# Altium PCB Hrafn.PcbDoc (part 5 of 5)
Units mm, origin at the board's own origin, x right, y up, seen from the top; angles counter-clockwise.
Board outline 85 x 94.73 mm, 8 copper layers (Top Layer, GND Top, Internal Top, PWR Top, PWR Bottom, Internal Bottom, GND Bottom, Bottom Layer), stack 1.525 mm thick; 391 components, 237 nets, 1268 pads, 1166 vias.
Unrouted connection lines stored in the file: 2.
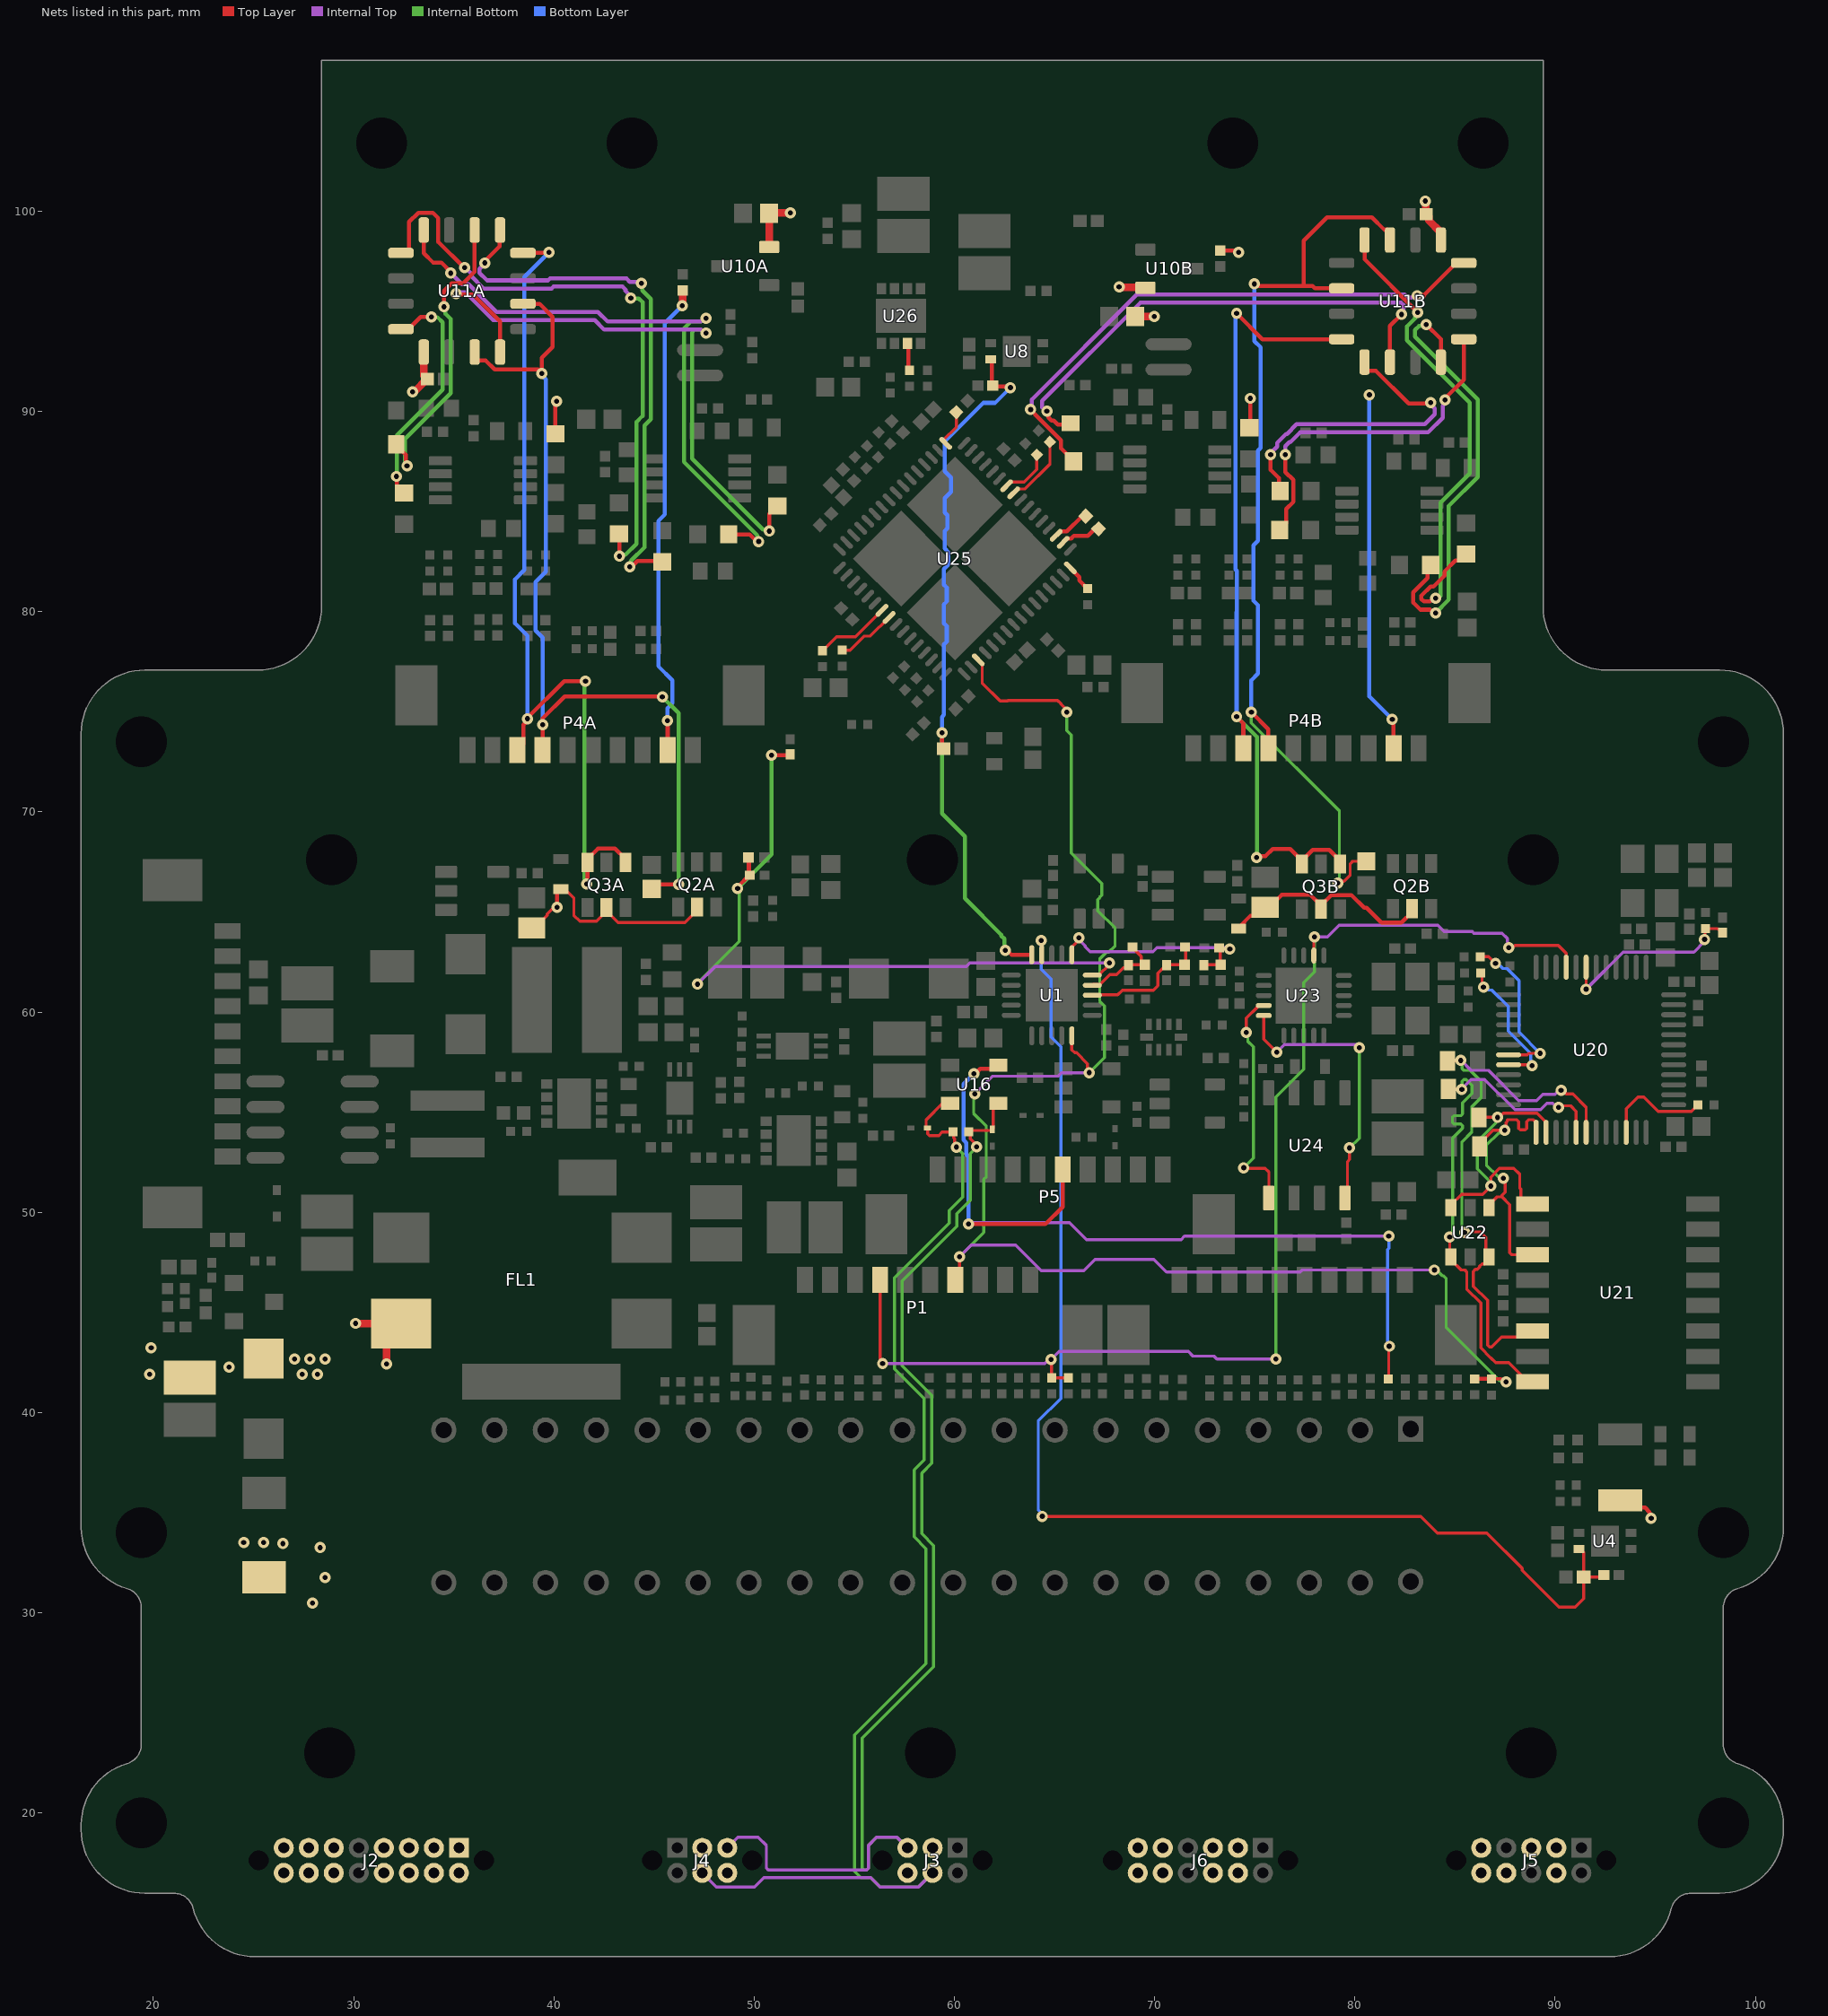
[diagram p11: the nets of this part, all layers, seen from the top]

## Via types
v1: diameter 0.559, hole 0.254, Top Layer to Bottom Layer, 1120 vias
v2: diameter 0.6, hole 0.25, Top Layer to Bottom Layer, 36 vias
v3: diameter 0.5, hole 0.2, Top Layer to Bottom Layer, 8 vias
v4: diameter 0.61, hole 0.254, Top Layer to Bottom Layer, 2 vias

## Nets (pads, with @x,y where several pads share a name; then routed paths per layer and width w, separated by ;. In a path a pad name is that pad's centre, name@x,y a point inside that pad or via, vN(x,y) a via of type N, cw(c..) or ccw(c..) an arc to the next point about the centre after c; other vN are vias at no path point) (continued)
NetR124_1: R124.1 U25.35 | length 1.9
  Top Layer w0.203: U25.35@65.081,83.812 65.273,84.003 65.48,84.003 65.483,84.006 65.615,84.006 66.382,84.773 R124.1@66.56,84.773
NetR124_2: R124.2 U25.34 | length 2
  Top Layer w0.203: U25.34@65.435,83.458 65.626,83.65 65.833,83.65 65.961,83.778 66.659,83.778 67.019,84.137 R124.2@67.196,84.137
NetR125_2: R125.2 U25.32 | length 1.4
  Top Layer w0.203: U25.32@65.788,82.185 65.788,82.173 66.239,81.722 66.239,81.557 R125.2@66.65,81.147
NetR128_2: R128.2 U26.3 | length 1.3
  Top Layer w0.203: U26.3@57.653,93.397 57.707,93.343 57.707,92.156 R128.2@57.761,92.102
NetR132_2: R132.2 U25.7 | length 3.8
  Top Layer w0.152: R132.2@53.416,78.048 53.753,78.385 54.108,78.74 55.06,78.74 U25.7@56.384,80.064
NetR133_2: R133.2 U25.8 | length 3
  Top Layer w0.152: R133.2@54.407,78.073 54.797,78.073 55.503,78.779 55.806,78.779 U25.8@56.737,79.71
NetR134_2: R134.2 U25.42 | length 2.6
  Top Layer w0.152: U25.42@62.606,86.287 62.801,86.481 63.491,86.481 64.113,87.103 R134.2@64.113,87.83
NetR135_2: R135.2 U25.41 | length 3.5
  Top Layer w0.152: U25.41@62.96,85.933 63.154,86.127 63.532,86.127 64.77,87.365 R135.2@64.77,88.468
NetR139_2: R139.2 U20.44 | length 7
  Top Layer w0.152: R139.2@86.277,61.951 86.348,61.88 86.348,61.307 v1(86.419,61.236) ; U20.44@87.671,57.365 88.806,57.365 v1(88.847,57.325)
  Bottom Layer w0.152: v1(86.419,61.236) 86.529,61.236 86.667,61.098 86.833,61.098 87.655,60.276 87.655,59.055 88.773,57.937 88.773,57.399 v1(88.847,57.325)
NetR140_2: R140.2 U20.43 | length 8.1
  Top Layer w0.152: R140.2@86.252,62.763 86.67,62.763 87,62.433 v1(87.02,62.433) ; U20.43@87.671,57.865 88.596,57.865 88.669,57.937 v1(89.256,57.937)
  Bottom Layer w0.152: v1(87.02,62.433) 87.13,62.433 87.391,62.173 87.586,62.173 88.189,61.57 88.189,59.004 v1(89.256,57.937)
NetR141_2: R141.2 U20.10 | length 5.4
  Top Layer w0.152: U20.10@93.546,53.99 93.546,55.166 94.132,55.753 94.434,55.753 95.15,55.037 96.801,55.037 R141.2@97.136,55.372
NetR142_1: R142.1 R143.2 U20.31 | length 9.6
  Top Layer w0.152: v1(91.546,61.142) U20.31@91.546,62.24 ; v1(97.46,63.627) 97.485,63.652 97.485,64.141 R142.1@97.511,64.167 98.111,64.167 98.141,64.137 98.2,64.137 98.349,63.988 R143.2@98.349,63.963
  Internal Top w0.152: v1(91.546,61.142) 93.396,62.992 96.926,62.992 97.46,63.525 v1(97.46,63.627)
OUTAA_N: R90A.1 U11A.10 | length 15.2
  Top Layer w0.203: R90A.1@32.131,88.355 32.131,88.305 32.596,87.839 32.596,87.342 v1(32.664,87.274) ; v1(34.519,95.225) 34.519,96.019 34.901,96.402 35.474,96.402 36.043,96.97 U11A.10@36.043,99.06
  Internal Bottom w0.203: v1(32.664,87.274) 32.563,87.376 32.563,88.63 34.846,90.914 34.846,94.617 34.587,94.877 34.587,95.157 v1(34.519,95.225)
OUTAA_P: R93A.1 U11A.16 | length 11.8
  Top Layer w0.203: v1(32.144,86.754) 32.158,86.74 32.158,86.245 32.485,85.918 R93A.1@32.512,85.918 ; U11A.16@32.36,94.107 32.741,94.107 33.353,94.719 v1(33.884,94.719)
  Internal Bottom w0.203: v1(32.144,86.754) 32.156,86.766 32.156,88.798 34.44,91.082 34.44,94.449 34.184,94.704
OUTAB_N: R90B.1 U11B.10 | length 25.5
  Top Layer w0.203: v1(64.618,90.018) 64.686,89.95 64.686,89.697 64.845,89.538 64.967,89.538 65.164,89.341 65.733,89.341 R90B.1@65.8,89.408 ; U11B.10@81.751,92.463 81.751,94.274 v1(82.321,94.844)
  Internal Top w0.203: v1(64.618,90.018) 64.561,90.018 64.376,90.203 64.376,90.526 69.279,95.428 82.313,95.428 82.432,95.309 82.432,95.14 82.389,95.097 82.389,94.912 v1(82.321,94.844)
OUTAB_P: R93B.1 U11B.16 | length 28.5
  Top Layer w0.203: v1(63.805,90.094) 63.805,90.08 64.202,89.684 64.202,89.678 65.317,88.563 65.317,88.162 65.949,87.53 R93B.1@65.949,87.503 ; 83.421,95.783 U11B.16@85.053,97.416
  Top Layer w0.254: v1(83.109,95.783) 83.421,95.783 ; U11B.16@85.053,97.416 U11B.16@85.434,97.416
  Internal Top w0.203: v1(63.805,90.094) 63.873,90.162 63.873,90.597 69.11,95.834 82.482,95.834 82.644,95.672 82.812,95.672 82.855,95.715 83.041,95.715 v1(83.109,95.783)
OUTBA_N: R91A.1 U11A.4 | length 31.6
  Top Layer w0.203: v1(35.111,95.894) 35.159,95.846 35.954,95.846 37.313,94.488 U11A.4@37.313,92.964 ; v1(50.749,84.023) 50.749,84.872 50.801,84.924 50.801,84.951 51.129,85.278 R91A.1@51.156,85.278
  Internal Top w0.203: v1(35.111,95.894) 35.164,95.946 35.577,95.946 36.965,94.558 42.036,94.558 42.512,94.082 47.338,94.082 47.503,93.916 v1(47.6,93.916)
  Internal Bottom w0.203: v1(47.6,93.916) 47.503,93.916 47.338,94.082 47.015,94.082 46.896,93.963 46.896,87.643 50.448,84.091 50.681,84.091 v1(50.749,84.023)
OUTBA_P: R94A.1 U11A.12 | length 31.9
  Top Layer w0.203: U11A.12@33.503,99.06 33.503,97.9 33.964,97.439 34.379,97.439 34.851,96.967 v1(34.851,96.907) ; R94A.1@48.733,83.86 49.775,83.86 50.132,83.502 v1(50.228,83.502)
  Internal Top w0.203: v1(34.851,96.907) 35.405,96.353 35.745,96.353 37.134,94.964 42.204,94.964 42.681,94.488 47.338,94.488 47.503,94.653 v1(47.6,94.653)
  Internal Bottom w0.203: v1(47.6,94.653) 47.503,94.653 47.338,94.488 46.847,94.488 46.49,94.131 46.49,87.474 50.16,83.804 50.16,83.57 v1(50.228,83.502)
OUTBB_N: R91B.1 U11B.4 | length 25.5
  Top Layer w0.203: U11B.4@80.481,98.559 80.481,97.598 v1(83.134,94.945) ; v1(84.023,80.67) 83.927,80.67 83.762,80.505 83.439,80.505 83.32,80.624 83.32,80.793 83.781,81.255 83.926,81.255 84.469,81.798 84.469,82.001 85.012,82.544 85.224,82.544 R91B.1@85.552,82.872
  Internal Bottom w0.203: v1(83.134,94.945) 83.134,94.849 83.01,94.725 83.01,94.65 82.599,94.238 82.599,93.56 85.725,90.433 85.725,86.891 84.277,85.443 84.277,80.789 84.238,80.789 84.119,80.67 v1(84.023,80.67)
OUTBB_P: R94B.1 U11B.12 | length 22.7
  Top Layer w0.203: v1(83.566,94.336) 84.291,93.61 U11B.12@84.291,92.463 ; R94B.1@83.784,82.321 83.631,82.169 83.631,81.68 82.914,80.962 82.914,80.456 83.271,80.099 83.762,80.099 83.927,79.934 v1(84.023,79.934)
  Internal Bottom w0.203: v1(83.566,94.336) 83.504,94.273 83.208,94.273 83.005,94.07 83.005,93.728 86.131,90.602 86.131,86.723 84.684,85.275 84.684,80.594 v1(84.023,79.934)
OUTCA_N: R92A.1 U11A.9 | length 27.5
  Top Layer w0.203: v1(36.551,97.415) 36.551,97.511 37.287,98.247 37.287,99.034 U11A.9@37.313,99.06 ; v1(43.79,82.245) 43.886,82.245 44.176,82.535 45.364,82.535 R92A.1@45.415,82.484
  Internal Top w0.203: v1(36.551,97.415) 36.551,97.387 36.282,97.118 36.282,96.919 36.656,96.545 39.717,96.545 39.811,96.639 43.621,96.639 43.793,96.467 44.296,96.467 v1(44.364,96.399)
  Internal Bottom w0.203: v1(43.79,82.245) 43.858,82.313 43.858,82.547 44.523,83.213 44.523,89.297 44.833,89.607 44.833,95.622 44.42,96.035 44.42,96.343 v1(44.364,96.399)
OUTCA_P: R95A.1 U11A.13 | length 30.9
  Top Layer w0.203: U11A.13@32.36,97.917 32.616,97.917 32.766,98.067 32.766,99.461 33.228,99.924 33.96,99.924 34.229,99.654 34.229,98.466 35.514,97.18 v1(35.535,97.18) ; R95A.1@43.256,83.883 43.269,83.871 v1(43.269,82.766)
  Internal Top w0.203: v1(35.535,97.18) 35.578,97.18 35.875,96.884 35.875,96.75 36.487,96.138 39.885,96.138 39.979,96.233 43.43,96.233 43.574,96.089 43.574,96.024 43.843,95.755 v1(43.843,95.659)
  Internal Bottom w0.203: v1(43.269,82.766) 43.337,82.834 43.57,82.834 44.117,83.381 44.117,89.465 44.427,89.775 44.427,95.453 44.242,95.638 43.863,95.638 v1(43.843,95.659)
OUTCB_N: R92B.1 U11B.9 | length 16.3
  Top Layer w0.203: v1(75.794,87.833) 75.794,87.078 76.2,86.672 76.2,86.091 R92B.1@76.261,86.03 ; U11B.9@80.481,92.463 80.481,92.187 80.632,92.036 81.04,92.036 82.678,90.399 83.845,90.399 83.807,90.437 v1(83.782,90.437)
  Internal Top w0.203: v1(75.794,87.833) 75.794,87.929 76.113,88.249 76.113,88.432 76.559,88.878 76.61,88.878 77.089,89.357 83.488,89.357 83.984,89.853 83.984,90.14 83.782,90.342 v1(83.782,90.437)
OUTCB_P: R95B.1 U11B.13 | length 17.5
  Top Layer w0.203: R95B.1@76.236,84.074 76.564,84.402 76.564,85.123 76.919,85.479 76.919,86.581 76.53,86.97 v1(76.53,87.833) ; v1(84.506,90.576) 84.506,90.65 85.434,91.578 U11B.13@85.434,93.606
  Internal Top w0.203: v1(76.53,87.833) 76.519,87.844 76.519,88.264 76.727,88.472 76.778,88.472 77.257,88.951 83.656,88.951 84.39,89.685 84.39,90.28 84.438,90.327 84.438,90.508 v1(84.506,90.576)
PPS: P5.6 R25.2 U16.5 | length 45
  Top Layer w0.152: R25.2@81.661,41.675 81.686,41.7 81.686,43.282 v1(81.712,43.307)
  Top Layer w0.203: v1(60.706,49.408) 64.546,49.408 65.407,50.268 P5.6@65.407,52.146 ; v1(60.975,56.925) 61.057,56.925 61.293,57.16 62.183,57.16 U16.5@62.36,57.338
  Internal Top w0.152: v1(60.706,49.408) 60.773,49.475 65.744,49.475 66.591,48.628 71.317,48.628 71.491,48.802 v1(81.69,48.802)
  Bottom Layer w0.152: v1(81.69,48.802) 81.7,48.792 81.7,48.194 81.636,48.13 81.636,43.383 v1(81.712,43.307)
  Bottom Layer w0.203: v1(60.706,49.408) 60.706,52.778 60.6,52.884 60.6,53.464 60.452,53.612 60.452,56.402 v1(60.975,56.925)
PPS_N: D8.1 J3.5 J4.5 R100.1 U16.4 | length 61.3
  Top Layer w0.152: v1(61.108,53.264) 61.108,53.361 60.798,53.672 60.798,53.953 R100.1@60.725,54.026 60.783,54.083 61.851,54.083 61.9,54.132 D8.1@61.9,54.141 61.944,54.185 U16.4@61.944,55.214 ; U16.4@61.944,55.214 U16.4@62.167,55.438 ; U16.4@61.944,55.214 U16.4@62.167,55.438 ; U16.4@61.944,55.214 U16.4@62.167,55.438 ; U16.4@61.944,55.214 U16.4@62.167,55.438 ; U16.4@62.167,55.438 U16.4@62.36,55.438 ; U16.4@62.167,55.438 U16.4@62.36,55.438 ; U16.4@62.167,55.438 U16.4@62.36,55.438 ; U16.4@62.167,55.438 U16.4@62.36,55.438
  Internal Top w0.152: J4.5@48.658,18.253 49.187,18.781 50.2,18.781 50.612,18.369 50.612,17.236 50.701,17.146 52.968,17.146 55.167,17.146 55.616,17.146 55.705,17.236 55.705,18.369 56.117,18.781 57.13,18.781 J3.5@57.658,18.253
  Internal Bottom w0.152: J3.5@57.658,18.253 57.13,18.781 56.117,18.781 55.705,18.369 55.705,17.236 55.616,17.146 55.49,17.146 55.4,17.236 55.4,21.107 55.4,21.996 55.4,23.727 58.964,27.29 58.964,33.358 58.367,33.954 58.367,36.967 58.864,37.463 58.864,40.858 57.392,42.329 57.392,46.567 60.117,49.292 60.117,49.93 60.791,50.603 60.791,52.928 61.101,53.238 v1@61.108,53.238
PPS_P: D7.1 J3.4 J4.4 R100.2 U16.3 | length 61.7
  Top Layer w0.152: U16.3@59.61,55.438 59.41,55.438 58.586,54.614 58.586,54.252 58.635,54.204 D7.1@58.662,54.204 58.662,53.925 58.751,53.835 59.218,53.835 59.383,54 59.9,54 R100.2@59.925,54.026 59.972,53.979 59.972,53.714 60.014,53.672 v1@60.014,53.331 ; v1@60.014,53.331 v1(60.092,53.253) v1@60.014,53.331
  Internal Top w0.152: J4.4@47.408,17.003 48.112,16.3 50.025,16.3 50.49,16.765 53.126,16.765 55.827,16.765 56.292,16.3 58.205,16.3 J3.4@58.908,17.003
  Internal Bottom w0.152: J3.4@58.908,17.003 58.205,16.3 56.292,16.3 55.827,16.765 55.332,16.765 55.019,17.078 55.019,21.996 55.019,23.884 58.583,27.448 58.583,33.2 57.986,33.796 57.986,37.125 58.483,37.621 58.483,40.7 57.011,42.171 57.011,46.724 59.736,49.449 59.736,50.088 60.41,50.761 60.41,52.928 60.092,53.246 v1(60.092,53.253)
ref: C94.2 U25.49 | length 1.9
  Top Layer w0.152: U25.49@59.566,88.408 59.457,88.517 59.457,88.58 60.093,89.216 C94.2@60.093,89.963
RESETA: P4A.8 Q3A.4 Q3A.6 U11A.8 | length 45
  Top Layer w0.203: P4A.8@38.182,73.076 38.48,73.374 38.48,74.35 38.684,74.554 38.684,74.701 40.513,76.53 v1(41.58,76.53) ; U11A.8@38.456,97.917 39.726,97.917 v1(39.751,97.942) ; v1(41.631,66.396) 41.677,66.442 Q3A.6@41.677,67.47 41.677,67.645 42.205,68.173 43.048,68.173 43.577,67.645 Q3A.4@43.577,67.47
  Internal Bottom w0.203: v1(41.58,76.53) 41.529,76.479 41.529,66.593 41.631,66.492 v1(41.631,66.396)
  Bottom Layer w0.203: v1(38.684,74.651) 38.684,78.798 38.06,79.423 38.06,81.615 38.52,82.076 38.52,96.712 v1(39.751,97.942)
RESETB: P4B.8 Q3B.4 Q3B.6 U11B.8 | length 40.6
  Top Layer w0.203: v1(74.092,74.752) 74.428,74.416 P4B.8@74.428,73.172 ; v1(74.092,94.894) 75.38,93.606 U11B.8@79.338,93.606 ; v1(75.082,67.721) 75.15,67.789 75.529,67.789 75.888,68.148 76.774,68.148 Q3B.6@77.291,67.631 ; Q3B.6@77.355,67.392 77.355,67.567 Q3B.6@77.291,67.631 ; Q3B.4@79.255,67.392 79.255,67.567 78.726,68.096 77.883,68.096 77.418,67.631 Q3B.6@77.291,67.631
  Internal Bottom w0.203: v1(74.092,74.752) 75.108,73.736 75.108,67.747 v1(75.082,67.721)
  Bottom Layer w0.203: v1(74.092,74.752) 74.092,79.964 74.105,79.977 74.105,82.041 74.041,82.105 74.041,94.844 v1(74.092,94.894)
RX: U23.20 U24.4 | length 14.2
  Top Layer w0.152: U23.20@75.447,59.827 75.447,58.64 v1(76.098,57.988) ; U24.4@79.502,50.715 79.628,50.841 79.628,52.531 79.731,52.633 v1(79.731,53.213)
  Internal Top w0.152: v1(76.098,57.988) 76.479,58.369 80.061,58.369 v1(80.213,58.217)
  Internal Bottom w0.152: v1(79.731,53.213) 80.213,53.696 v1(80.213,58.217)
SCLK0: P1.4 R15.1 R31.2 U20.33 U23.12 | length 63.2
  Top Layer w0.152: P1.4@56.287,46.627 56.287,42.57 v1(56.413,42.443) ; v1(64.821,42.647) 64.842,42.626 64.842,41.748 R15.1@64.862,41.727 R31.2@65.688,41.727 ; U23.12@77.947,62.827 77.947,63.723 v1(77.978,63.754) ; v1(87.686,63.216) 87.759,63.288 87.952,63.288 87.986,63.322 90.159,63.322 90.545,62.935 U20.33@90.545,62.295
  Internal Top w0.152: v1(56.413,42.443) 64.508,42.443 64.711,42.647 v1(64.821,42.647) 65.227,43.053 71.675,43.053 71.914,42.814 72.964,42.814 73.106,42.672 v1(76.048,42.672) ; v1(77.978,63.754) 78.632,63.754 79.205,64.327 84.144,64.327 84.457,64.014 85.859,64.014 85.935,63.938 87.345,63.938 87.608,63.675 87.608,63.294 v1(87.686,63.216)
  Internal Bottom w0.152: v1(76.048,42.672) 76.048,55.753 77.445,57.15 77.445,61.466 77.978,61.999 v1(77.978,63.754)
SCLK1: P1.7 R28.2 R34.2 U1.15 U25.19 | length 78.7
  Top Layer w0.152: P1.7@60.037,46.627 60.249,46.839 v1(60.249,47.777) ; U25.19@61.192,77.589 61.387,77.395 61.387,76.437 62.284,75.54 62.651,75.54 62.676,75.565 65.151,75.565 65.315,75.401 65.315,75.384 65.608,75.091 v1(65.608,74.981) ; U1.15@65.862,58.815 65.862,58.111 66.006,57.968 66.099,57.968 66.648,57.419 66.648,57.05 v1(66.726,56.972) ; R34.2@86.817,41.675 87.298,41.675 87.444,41.529 v1(87.554,41.529)
  Top Layer w0.203: R28.2@85.979,41.681 85.982,41.678 86.814,41.678 R34.2@86.817,41.675
  Internal Top w0.152: v1(60.249,47.777) 60.833,48.362 63.051,48.362 64.328,47.084 66.465,47.084 67.031,47.65 69.955,47.65 70.595,47.01 77.264,47.01 77.371,47.117 v1(83.972,47.117) ; v1(61.011,55.905) 61.9,56.794 65.161,56.794 65.339,56.972 v1(66.726,56.972)
  Internal Bottom w0.152: v1(60.249,47.777) 61.468,48.997 61.468,51.644 61.591,51.767 61.591,54.305 60.96,54.935 60.96,55.855 v1(61.011,55.905) ; v1(65.608,74.981) 65.608,74.063 65.837,73.834 65.837,67.947 67.361,66.423 67.361,65.84 67.258,65.737 67.258,65.712 67.156,65.61 67.156,65.057 68.021,64.191 68.021,63.3 67.7,62.979 67.58,62.979 67.259,62.658 67.259,60.536 67.488,60.308 67.488,57.734 v1(66.726,56.972) ; v1(83.972,47.117) 84.082,47.117 84.376,46.824 84.426,46.824 84.554,46.695 84.554,44.252 86.512,42.294 87.209,41.598 87.485,41.598 v1(87.554,41.529)
SETA: C45A.2 P4A.7 U11A.3 U11A.6 | length 45.7
  Top Layer w0.203: U11A.3@36.043,92.964 36.043,92.688 36.193,92.537 36.601,92.537 37.038,92.1 v1@39.226,92.1 ; U11A.6@38.456,95.377 39.276,95.377 39.935,94.718 39.935,93.213 39.395,92.673 v1(39.395,91.897) ; P4A.7@39.432,73.076 39.446,73.09 39.446,74.676 40.538,75.768 45.39,75.768 v1(45.415,75.743) ; C45A.2@44.882,66.126 45.126,66.37 v1(46.228,66.37)
  Internal Bottom w0.203: v1(45.415,75.743) 46.228,74.93 v1(46.228,66.37)
  Bottom Layer w0.203: v1(39.395,91.897) 39.395,91.801 39.599,91.598 39.599,81.998 39.076,81.475 39.076,79.062 39.446,78.692 v1(39.446,74.346)
SETB: C45B.2 P4B.7 U11B.3 U11B.6 | length 48.8
  Top Layer w0.152: v1(79.146,66.446) 79.224,66.524 79.449,66.524 79.763,66.838 79.763,67.405 79.887,67.53 C45B.2@80.569,67.53
  Top Layer w0.203: v1(74.828,74.981) 75.678,74.131 P4B.7@75.678,73.172 ; v1(74.981,96.368) 75.086,96.262 77.445,96.262 ; U11B.6@79.338,96.146 77.997,96.146 77.88,96.262 77.445,96.262 ; U11B.3@81.751,98.559 81.751,98.926 81.601,99.077 81.467,99.077 80.848,99.695 78.605,99.695 77.445,98.535 77.445,96.262
  Internal Bottom w0.152: v1(74.828,74.981) 74.828,74.447 79.223,70.052 79.223,66.523 v1(79.146,66.446)
  Bottom Layer w0.203: v1(74.828,74.981) 74.828,76.571 75.159,76.902 75.159,80.322 74.935,80.546 74.935,83.309 75.159,83.533 75.159,88.049 75.286,88.176 75.286,93.204 74.981,93.509 v1(74.981,96.368)
SGND: C2.2 C70.2 D1.2 D2.2 FL1.3 J2.1 J2.2 J2.3 J2.4 J2.5 J2.6 J2.7 J2.8 J2.11 J2.12 J2.13 J2.14 J2.15 J2.16 J3.3 J3.6 J4.3 J4.6 J5.3 J5.4 J5.5 J5.8 J5.9 J5.10 J6.3 J6.4 J6.5 J6.6 J6.9 J6.10 J6.11 J6.12 | length 8.3
  Top Layer w0.203: C70.2@93.243,35.612 93.61,35.245 94.49,35.245 94.725,35.011 94.725,34.79 v1(94.793,34.722)
  Top Layer w0.381: C2.2@21.768,41.792 C2.2@21.819,41.741 ; D2.2@25.019,32.271 D2.2@25.525,31.765 ; D1.2@25.502,42.691 D1.2@26.086,43.275 ; v1(30.1,44.45) 30.116,44.434 FL1.3@32.379,44.434 31.65,43.705 v1(31.65,42.425)
  other v1: 27.94,30.48 28.575,31.75 28.321,33.249 26.465,33.449 24.509,33.5 25.502,33.503 19.812,41.91 27.432,41.91 28.194,41.91 23.774,42.266 27.051,42.672 27.813,42.672 28.575,42.672 19.888,43.231
TEMP_1: C19.2 R68.2 U1.4 U4.2 | length 63.3
  Top Layer w0.152: v1(64.329,63.574) 64.346,63.558 64.346,62.882 U1.4@64.362,62.865 ; v1(64.388,34.812) 83.295,34.812 84.125,33.982 86.592,33.982 88.357,32.217 88.357,32.118 90.199,30.277 91.005,30.277 91.423,30.695 C19.2@91.423,31.775 ; U4.2@91.186,33.181 91.261,33.181 91.423,33.019 C19.2@91.423,31.775 ; R68.2@92.437,31.877 92.335,31.775 C19.2@91.423,31.775
  Bottom Layer w0.152: v1(64.329,63.574) 64.329,62.135 64.82,61.643 64.82,58.758 65.316,58.263 65.316,40.698 64.186,39.568 64.186,35.137 64.388,34.936 v1(64.388,34.812)
TEMP_2: C33.2 R77.2 U1.5 U8.2 | length 36.6
  Top Layer w0.203: v1(59.375,73.95) 59.375,73.235 C33.2@59.46,73.15 ; U8.2@61.816,92.601 61.867,92.549 61.867,91.339 61.969,91.238 62.748,91.238 v1(62.797,91.188) v1@62.897,91.288 ; v1(62.541,63.074) 62.637,63.074 62.846,62.865 U1.5@63.862,62.865
  Internal Bottom w0.203: v1(59.375,73.95) 59.375,69.921 60.522,68.775 60.522,65.682 62.348,63.856 62.348,63.805 62.492,63.66 62.492,63.122 v1(62.541,63.074)
  Bottom Layer w0.203: v1(59.375,73.95) 59.375,74.735 59.479,74.839 59.479,78.356 59.617,78.494 59.617,79.275 59.479,79.413 59.479,80.366 59.617,80.504 59.617,81.2 59.479,81.338 59.479,82.124 59.705,82.35 59.705,82.962 59.514,83.153 59.514,84.022 59.652,84.16 59.652,84.813 59.514,84.951 59.514,85.668 59.824,85.978 59.824,86.695 59.514,87.004 59.514,88.503 61.439,90.428 62.037,90.428 v1(62.797,91.188)
TPIN_N: R110.1 U20.5 U21.8 U22.4 | length 28.2
  Top Layer w0.152: R110.1@84.67,56.159 85.313,56.159 v1(85.338,56.134) ; U22.4@84.734,47.772 v1(84.734,48.768) ; U22.4@84.8,47.772 84.8,47.627 85.31,47.117 85.496,47.117 85.585,47.028 85.585,46.166 86.29,45.461 86.29,43.224 86.77,42.745 86.773,42.745 87.024,42.494 87.68,42.494 88.645,41.529 U21.8@88.868,41.529 ; v1(90.164,55.239) 90.242,55.317 90.769,55.317 91.046,55.04 U20.5@91.046,53.935
  Internal Top w0.152: v1(85.338,56.134) 85.338,56.159 85.808,56.629 86.477,56.629 87.988,55.118 89.264,55.118 89.578,55.432 89.871,55.432 90.065,55.239 v1(90.164,55.239)
  Internal Bottom w0.152: v1(84.734,48.768) 84.734,48.878 84.884,49.028 84.884,53.705 85.376,54.197 85.376,54.251 85.376,54.327 85.287,54.417 84.95,54.417 84.868,54.498 84.868,54.742 84.95,54.823 85.287,54.823 85.376,54.912 85.376,55.454 85.846,55.924 85.846,56.344 85.561,56.629 85.435,56.629 85.346,56.54 85.346,56.142 v1(85.338,56.134)
TPIN_P: R109.1 U20.6 U21.6 U22.6 | length 29
  Top Layer w0.152: R109.1@84.619,57.556 85.262,57.556 v1(85.287,57.582) ; 85.777,49.022 86.255,49.022 86.538,48.739 86.538,47.789 U22.6@86.628,47.699 ; U22.6@86.7,47.772 U22.6@86.628,47.699 ; U21.6@88.868,44.069 88.564,43.765 87.33,43.765 86.836,43.272 86.71,43.272 86.62,43.361 86.62,45.598 85.915,46.303 85.915,47.046 86.013,47.143 86.115,47.143 86.234,47.262 86.234,47.305 86.352,47.423 86.497,47.423 86.628,47.554 U22.6@86.628,47.699 ; v1(90.293,56.083) 90.382,56.083 90.554,55.911 90.881,55.911 91.546,55.247 U20.6@91.546,53.935
  Internal Top w0.152: v1(85.287,57.582) 85.313,57.582 85.808,57.087 86.666,57.087 88.178,55.575 89.074,55.575 89.389,55.89 89.989,55.89 90.183,56.083 v1(90.293,56.083)
  Internal Bottom w0.152: v1(85.287,57.582) 85.346,57.523 85.346,57.176 85.435,57.087 85.75,57.087 86.303,56.534 86.303,55.734 85.834,55.265 85.834,54.007 85.341,53.515 85.341,49.238 85.476,49.104 v1(85.476,48.994)
TPOUT_N: R106.1 U20.1 U21.3 U22.1 | length 14.6
  Top Layer w0.152: R106.1@86.221,53.289 86.221,53.414 86.898,54.091 v1(87.477,54.091) 87.554,54.169 87.554,54.487 87.605,54.537 87.605,54.621 88.087,54.621 88.176,54.531 88.176,54.194 88.258,54.113 88.502,54.113 88.583,54.194 88.583,54.531 88.672,54.621 88.908,54.621 88.951,54.577 89.046,54.482 U20.1@89.046,53.935 ; U22.1@86.7,50.222 86.7,50.367 87.103,50.769 87.348,50.769 ; v1(87.412,51.705) 87.511,51.606 87.511,51.01 87.348,50.847 87.348,50.769 ; U21.3@88.868,47.879 87.833,47.879 87.733,47.979 87.733,50.384 87.348,50.769
  Internal Bottom w0.152: v1(87.412,51.705) 87.335,51.782 87.141,51.782 86.571,52.352 86.571,53.347 87.189,53.965 87.241,53.965 87.367,54.091 v1(87.477,54.091)
TPOUT_P: R104.1 U20.2 U21.1 U22.3 | length 14.9
  Top Layer w0.152: U22.3@84.8,50.222 84.8,50.367 85.334,50.9 86.384,50.9 v1(86.792,51.308) 86.779,51.321 86.779,51.753 87.213,52.187 87.239,52.187 87.249,52.197 87.937,52.197 88.231,51.904 88.231,51.205 88.28,51.156 88.28,50.723 88.584,50.419 U21.1@88.868,50.419 ; R104.1@86.196,54.737 87.201,54.737 87.415,54.951 89.085,54.951 89.546,54.49 U20.2@89.546,53.99
  Internal Bottom w0.152: v1(86.792,51.308) 86.714,51.386 86.714,51.562 86.113,52.163 86.113,53.536 87.044,54.467 87.044,54.659 v1(87.122,54.737)
TX: U23.19 U24.1 | length 11.6
  Top Layer w0.152: v1(74.447,52.222) 74.47,52.199 75.508,52.199 75.707,52.001 75.707,50.73 U24.1@75.692,50.715 ; v1(74.574,58.979) 74.574,59.694 75.123,60.242 75.123,60.252 75.198,60.327 U23.19@75.447,60.327
  Internal Bottom w0.152: v1(74.447,52.222) 74.93,52.705 74.93,58.264 74.652,58.541 74.652,58.901 v1(74.574,58.979)
VBA: C42A.2 C43A.2 C46A.2 P4A.2 R89A.2 U10A.2 U11A.1 | length 30.4
  Top Layer w0.203: R89A.2@40.081,88.889 40.063,88.908 40.063,90.335 40.132,90.404 v1(40.132,90.5) ; v1(45.669,74.549) 45.682,74.537 P4A.2@45.682,73.076
  Top Layer w0.381: v1(32.944,90.983) 32.978,91.017 33.061,91.017 33.662,91.618 C46A.2@33.682,91.618 ; C46A.2@33.503,91.777 U11A.1@33.503,92.964 ; v1(46.406,95.275) 46.431,95.301 C43A.2@46.431,96.054 ; U10A.2@50.749,98.207 50.749,99.609 50.839,99.698 50.839,99.898 50.851,99.911 51.803,99.911 v1(51.816,99.924)
  Bottom Layer w0.203: v1(45.669,74.549) 45.669,75.172 45.923,75.426 45.923,76.566 45.212,77.277 45.212,84.524 45.539,84.851 45.539,94.409 v1(46.406,95.275)
VBB: C42B.2 C43B.2 C46B.2 P4B.2 R89B.2 U10B.2 U11B.1 | length 25.2
  Top Layer w0.203: C43B.2@73.279,98.028 74.108,98.028 v1(74.193,97.942) ; R89B.2@74.728,89.008 74.778,89.057 v1(74.778,90.653) ; v1(81.864,74.625) 81.928,74.561 P4B.2@81.928,73.172
  Top Layer w0.381: v1(68.224,96.215) 68.242,96.197 69.521,96.197 U10B.2@69.539,96.18 ; C42B.2@69.131,94.74 69.132,94.741 v1(69.977,94.742) v1(69.977,94.742) ; v1(83.515,100.508) 83.54,100.483 83.54,99.872 C46B.2@83.564,99.847 83.584,99.847 83.704,99.728 83.704,99.527 84.252,98.979 84.252,98.598 U11B.1@84.291,98.559
  Bottom Layer w0.203: v1(80.721,90.83) 80.721,75.768 v1(81.864,74.625)
VMON_A3V3: C4.2 R48.1 R52.2 U1.18 | length 6.5
  Top Layer w0.152: U1.18@66.887,60.84 66.906,60.858 68.155,60.858 68.392,61.096 69.938,61.096 70.163,61.321 70.163,61.941 70.591,62.369 71.481,62.369 71.491,62.359 71.545,62.413 R48.1@71.545,63.246
VMON_A5V: C6.2 R50.1 R54.2 U1.20 | length 37.9
  Top Layer w0.152: U1.20@66.887,61.84 67.211,61.84 67.742,62.371 v1(67.742,62.459)
  Top Layer w0.203: v1(49.174,66.167) 49.174,66.249 49.75,66.825 49.737,66.838 49.737,67.703 C6.2@49.724,67.716 ; v1(50.875,72.825) 51.775,72.825 R50.1@51.8,72.85
  Internal Top w0.152: v1(47.168,61.392) 48.057,62.281 60.589,62.281 60.767,62.459 v1(67.742,62.459)
  Internal Bottom w0.152: v1(47.168,61.392) 47.168,61.455 49.248,63.535 49.248,66.094 v1(49.174,66.167)
  Internal Bottom w0.203: v1(49.174,66.167) 50.875,67.868 v1(50.875,72.825)
VMON_D3V3: C3.2 R47.1 R51.2 U1.19 | length 4.2
  Top Layer w0.152: U1.19@66.887,61.34 66.921,61.374 67.267,61.374 67.76,61.867 68.1,61.867 68.452,62.22 68.542,62.22 68.691,62.369 C3.2@69.507,62.369 ; R47.1@68.866,63.246 69.333,62.779 69.333,62.543 C3.2@69.507,62.369 ; C3.2@69.517,62.359 C3.2@69.507,62.369
VMON_D5V: C5.2 R49.1 R53.2 U1.1 | length 11.2
  Top Layer w0.152: U1.1@65.862,62.865 65.862,63.241 66.064,63.443 ; 66.064,63.444 66.218,63.598 v1(66.218,63.708) ; R53.2@72.466,62.369 73.264,62.369 C5.2@73.273,62.377 ; C5.2@73.291,62.369 73.283,62.377 C5.2@73.273,62.377 ; v1(73.754,63.152) 73.732,63.174 73.244,63.174 R49.1@73.222,63.195 73.273,63.145 C5.2@73.273,62.377
  Internal Top w0.152: v1(66.218,63.708) 66.218,63.626 66.536,63.308 66.536,63.258 66.777,63.017 69.916,63.017 70.109,63.211 73.695,63.211 v1(73.754,63.152)
VsrA: C41A.2 Q2A.2 Q3A.2 R82A.1 | length 12
  Top Layer w0.152: C41A.2@38.887,64.198 39.037,64.198 39.662,64.822 39.662,64.898 39.914,65.149 40.08,65.149 v1(40.157,65.227) ; R82A.1@40.227,66.145 40.289,66.207 40.352,66.27 40.427,66.27 40.996,65.7 40.996,64.837 41.292,64.541 42.123,64.541 Q3A.2@42.627,65.045 ; Q3A.2@42.627,65.22 Q3A.2@42.627,65.045 ; Q2A.2@47.151,65.246 47.151,65.071 46.545,64.465 43.206,64.465 Q3A.2@42.627,65.045
  Top Layer w0.203: v1(40.157,65.227) 40.157,65.996 40.306,66.145 R82A.1@40.352,66.145
VsrB: C41B.2 Q2B.2 Q3B.2 R82B.1 | length 10.9
  Top Layer w0.203: R82B.1@74.193,64.297 74.268,64.297 74.787,64.816 75.091,64.816 C41B.2@75.514,65.239 75.59,65.239 75.74,65.239 76.35,65.849 77.773,65.849 Q3B.2@78.241,65.381 ; Q3B.2@78.305,65.142 78.305,65.317 Q3B.2@78.241,65.381 ; Q2B.2@82.855,65.169 82.855,64.994 82.326,64.465 81.312,64.465 80.576,65.202 80.467,65.202 79.822,65.846 78.833,65.846 78.368,65.381 Q3B.2@78.241,65.381
pads on no net: J1.17 J2.0 J3.0 J4.0 J5.0 J6.0 P3.7 P5.3 R18.1 R133.1 R135.1 U1.12 U2.5 U3.2 U3.6 U3.7 U4.3 U4.4 U4.5 U6.5 U8.3 U8.4 U8.5 U9.2 U9.6 U11A.2 U11A.7 U11A.15 U11B.2 U11B.7 U11B.15 U13A.1 U13B.1 U19.2 U19.4 U19.7 U20.7 U20.12 U20.13 U20.18 U20.24 U20.25 U20.46 U20.47 U21.4 U21.5 U21.12 U21.13 U23.1 U23.2 U23.3 U23.4 U23.5 U23.9 U23.10 U23.13 U24.5 U25.25 U25.26 U25.27 U25.28 U25.29 U25.57 U25.63 U25.64 U26.6

## Polygon pours and split planes (outlines as drawn)
DGND on Bottom Layer "Bottom Layer 1-DGND" (solid, pour order 11): 39 vertices, not listed, extent 16.396,12.814 101.396,107.544
DGND on Top Layer "Top Layer 1" (solid, pour order 10): 39 vertices, not listed, extent 16.396,12.814 101.396,107.544
SGND on Top Layer "top_stitching_2" (solid, pour order 8): 19.406,43.79 19.406,40.97 28.956,40.97 28.956,43.79
5V_RAW on Top Layer "top_solder_thermal" (solid, pour order 15): 49.708,49.276 47.676,49.276 46.177,50.775 44.069,50.775 41.986,50.775 41.478,50.267 41.478,47.219 42.672,46.025 48.108,46.025 49.784,47.701 49.784,48.692
NetC2_1 on Top Layer "top_stitching_1" (solid, pour order 9): 19.431,40.513 19.431,38.862 21.082,38.862 23.8,36.144 23.8,34.646 23.774,34.62 29.032,34.62 29.032,40.513
SGND on Top Layer "top_stitching_3" (solid, pour order 7): 23.825,34.011 23.825,30.023 28.956,30.023 28.956,34.011
no net on Bottom Solder (solid, pour order 13): 39 vertices, not listed, extent 16.396,12.814 101.396,107.544
no net on Top Solder (solid, pour order 12): 39 vertices, not listed, extent 16.396,12.814 101.396,107.544
SGND on GND Bottom (split plane): 274 vertices, not listed, extent 16.904,13.323 100.887,51.788
DGND on GND Bottom (split plane): 123 vertices, not listed, extent 16.904,20.69 100.887,76.576
AGND on GND Bottom (split plane): 71 vertices, not listed, extent 25.406,71.63 92.669,107.034
D3V3 on PWR Top (split plane): 239 vertices, not listed, extent 16.904,20.881 100.887,76.576
SGND on PWR Top (split plane): 280 vertices, not listed, extent 16.904,13.323 100.887,51.814
NetC25_1 on PWR Top (split plane): 55 vertices, not listed, extent 21.491,43.893 40.37,62.294
A3V3 on PWR Top (split plane): 148 vertices, not listed, extent 25.432,67.032 92.72,96.794
VBA on PWR Top (split plane): 39 vertices, not listed, extent 28.906,90.057 59.07,107.034
5V_RAW on PWR Top (split plane): 21 vertices, not listed, extent 38.332,46.306 46.95,57.986
ETH_3V3 on PWR Top (split plane): 17 vertices, not listed, extent 84.305,52.326 100.885,63.828
3V3_RAW on PWR Top (split plane): 51.077,56.112 51.077,55.222 49.267,55.222 46.732,57.757 46.679,57.797 46.654,57.808 46.617,57.823 46.551,57.832 41.399,57.832 40.882,58.348 40.882,62.494 44.695,62.494
MAG_5V on PWR Top (split plane): 36 vertices, not listed, extent 50.282,93.557 69.395,99.894
VBB on PWR Top (split plane): 44 vertices, not listed, extent 59.582,90.256 88.885,107.034
SGND on GND Top (split plane): 274 vertices, not listed, extent 16.904,13.323 100.887,51.788
DGND on GND Top (split plane): 109 vertices, not listed, extent 16.904,20.756 100.887,76.576
AGND on GND Top (split plane): 71 vertices, not listed, extent 25.406,71.325 92.669,107.034
NetC2_1 on PWR Bottom (split plane): 151 vertices, not listed, extent 16.904,13.323 37.991,48.36
D5V on PWR Bottom (split plane): 166 vertices, not listed, extent 16.904,20.754 100.887,76.576
AGND on PWR Bottom (split plane): 30 vertices, not listed, extent 25.278,70.781 44.946,107.034
NetFB1_2 on PWR Bottom (split plane): 33 vertices, not listed, extent 33.479,29.13 47.801,44.981
NetC26_2 on PWR Bottom (split plane): 36 vertices, not listed, extent 51.578,62.707 67.867,65.694
SGND on PWR Bottom (split plane): 136 vertices, not listed, extent 38.503,13.323 100.887,51.738
A5V on PWR Bottom (split plane): 46 vertices, not listed, extent 45.458,67.001 72.21,107.034
AGND on PWR Bottom (split plane): 30 vertices, not listed, extent 72.722,71.181 92.566,107.034

## Other copper
Top Layer:
  pour cut-out: 18.4,37.563 19.025,37.563 cw(c19.025,34.388) 22.2,34.388 22.2,28.603 95.6,28.603 95.6,34.388 cw(c98.775,34.388) 98.775,37.563 99.4,37.563 99.4,69.107 92.4,69.107 92.4,64.107 85.4,64.107 85.4,69.107 62.4,69.107 62.4,64.107 55.4,64.107 55.4,69.107 32.4,69.107 32.4,64.107 25.4,64.107 25.4,69.107 18.4,69.107
  pour cut-out: 30.425,71.129 30.425,100.989 31.884,100.989 ccw(c31.884,104.164) 34.925,103.249 40.425,103.249 40.425,99.989 47.425,99.989 47.425,103.249 70.425,103.249 70.425,99.989 77.425,99.989 77.425,103.249 82.925,103.249 ccw(c85.965,104.164) 85.965,100.989 87.425,100.989 87.425,71.129
  pour cut-out: 23.394,14.815 23.394,20.505 94.394,20.505 94.394,14.815
Bottom Layer:
  pour cut-out: 23.417,17.695 ccw(c26.575,18.025) 26.575,14.85 91.225,14.85 ccw(c91.225,18.025) 94.383,17.695 ccw(c91.225,17.365) 91.225,20.54 26.575,20.54 ccw(c26.575,17.365)
  pour cut-out: 33.525,70.95 cw(c33.525,74.125) 30.35,74.125 30.35,98.291 cw(c33.525,98.291) 32.667,101.348 ccw(c31.81,104.405) 34.238,102.36 cw(c36.667,100.315) 36.667,103.49 38.533,103.49 cw(c38.533,100.315) 40.962,102.36 ccw(c43.39,104.405) 43.39,101.23 44.31,101.23 ccw(c44.31,104.405) 46.738,102.36 cw(c49.167,100.315) 49.167,103.49 68.533,103.49 cw(c68.533,100.315) 70.962,102.36 ccw(c73.39,104.405) 73.39,101.23 74.31,101.23 ccw(c74.31,104.405) 76.738,102.36 cw(c79.167,100.315) 79.167,103.49 81.033,103.49 cw(c81.033,100.315) 83.462,102.36 ccw(c85.89,104.405) 85.033,101.348 cw(c84.175,98.291) 87.35,98.291 87.35,74.125 cw(c84.175,74.125) 84.175,70.95
  pour cut-out: 22.147,34.451 ccw(c18.972,34.451) 20.272,37.348 cw(c21.572,40.245) 18.397,40.245 18.397,65.571 cw(c21.572,65.571) 21.572,68.746 22.367,68.746 cw(c22.367,65.571) 25.47,66.246 ccw(c28.572,66.921) 28.572,63.746 29.222,63.746 ccw(c29.222,66.921) 32.324,66.246 cw(c35.427,65.571) 35.427,68.746 52.367,68.746 cw(c52.367,65.571) 55.47,66.246 ccw(c58.572,66.921) 58.572,63.746 59.222,63.746 ccw(c59.222,66.921) 62.324,66.246 cw(c65.427,65.571) 65.427,68.746 82.367,68.746 cw(c82.367,65.571) 85.47,66.246 ccw(c88.572,66.921) 88.572,63.746 89.222,63.746 ccw(c89.222,66.921) 92.324,66.246 cw(c95.427,65.571) 95.427,68.746 96.222,68.746 cw(c96.222,65.571) 99.397,65.571 99.397,40.245 cw(c96.222,40.245) 97.522,37.348 ccw(c98.822,34.451) 95.647,34.451 95.647,31.841 cw(c92.472,31.841) 92.472,28.666 25.322,28.666 cw(c25.322,31.841) 22.147,31.841
GND Top (plane layer: these items are gaps in the copper):
  rectangle: 89.56,39.802 96.215,52.172
  lines w0.508: 16.425,44.625 16.425,43.625 25.6,43.625 27.475,45.5 33.918,45.5 33.934,45.517 33.934,24.591 38.025,20.5 81.714,20.5 94.31,33.096 94.31,39.751 96.368,41.808 96.368,52.045 101.397,52.045 ; 25.15,77.025 25.15,75.85 29.728,71.272 57.922,71.272 59.575,72.925 63.65,72.925 65.506,71.069 88.194,71.069 92.925,75.8 92.925,77.075
GND Bottom (plane layer: these items are gaps in the copper):
  rectangle: 89.637,39.954 96.545,52.172
  lines w0.508: 16.425,44.559 16.425,43.559 25.6,43.559 27.475,45.433 33.953,45.433 33.985,45.466 33.985,24.473 38.025,20.433 81.724,20.433 94.31,33.02 94.31,39.685 96.368,41.742 96.368,52.045 101.397,52.045 ; 25.15,76.958 25.15,75.783 29.56,71.374 58.091,71.374 59.575,72.859 63.65,72.859 65.109,71.399 88.591,71.399 92.925,75.734 92.925,77.008
PWR Top (plane layer: these items are gaps in the copper):
  rectangle: 89.535,39.726 96.444,52.019
  lines w0.508: 16.383,43.713 21.234,43.713 ; 25.176,77.05 25.176,75.9 30.526,70.55 60.301,70.55 62.051,72.3 62.201,72.3 62.601,72.7 63.551,72.7 65.47,70.782 65.47,67.626 66.321,66.775 66.551,66.775 67.551,66.775 68.151,67.375 71.726,70.95 88.126,70.95 92.976,75.8 92.976,77.125 ; 28.476,91.3 28.476,89.8 42.101,89.8 45.276,92.975 49.401,92.975 50.026,93.6 50.026,93.725 ; 33.884,47.723 33.884,40.386 33.884,25.808 33.884,24.587 37.846,20.625 81.864,20.625 94.132,32.893 94.336,33.096 94.31,33.096 94.31,41.808 ; 41.601,57.5 41.601,56.6 41.601,54.5 43.851,52.25 47.207,48.895 47.207,46.698 46.558,46.05 42.494,46.05 38.076,50.468 ; 45.601,57.575 45.651,57.525 ; 59.326,98.725 59.326,107.5 ; 66.651,97.025 66.651,96.325 69.276,93.7 69.276,92.925 72.176,90.025 ; 72.252,90 89.452,90 ; 89.376,90.025 89.376,91.625 ; 101.346,61.366 96.876,61.366 94.158,64.084 87.198,64.084 84.049,60.935 84.049,55.905 85.725,54.229 85.725,53.34 86.995,52.07 94.818,52.07 101.371,52.07 101.371,54.204 ; 21.234,43.713 21.768,43.713 21.692,43.637 23.114,43.637 25.425,43.637 26.835,45.047 27.305,45.517 33.884,45.517 33.884,49.149 35.203,50.468 38.076,50.468 ; 21.234,43.713 21.234,47.346 26.391,52.502 31.166,52.502 31.166,52.54 36.401,57.775 36.401,60.5 38.451,62.55 40.426,62.55 40.626,62.75 ; 38.076,50.468 38.076,57.939 38.379,58.242 40.626,58.242 ; 40.626,58.242 41.293,57.575 46.551,57.575 49.161,54.966 51.333,54.966 51.333,56.218 44.801,62.75 40.626,62.75 ; 40.626,58.242 40.626,62.75 ; 50.026,93.725 50.451,93.3 52.126,93.3 52.126,93.525 55.651,97.05 64.526,97.05 68.226,97.05 69.651,98.475 69.651,100.15 68.026,100.15 66.626,98.75 52.976,98.75 51.451,97.225 51.126,97.225 50.026,96.125 50.026,93.725 ; 21.676,65.6 21.676,65.6
PWR Bottom (plane layer: these items are gaps in the copper):
  rectangle: 89.662,39.954 96.571,52.197
  lines w0.508: 16.331,44.552 16.331,43.688 25.449,43.688 30.377,48.616 33.907,48.616 33.907,34.034 33.223,33.35 33.223,30.353 33.789,29.787 34.647,29.787 38.247,26.187 38.247,19.436 ; 25.022,77.025 25.022,75.875 30.372,70.525 60.147,70.525 61.897,72.275 62.047,72.275 62.447,72.675 63.397,72.675 65.316,70.757 65.316,67.832 66.397,66.75 ; 28.322,89.775 28.322,91.275 ; 33.884,34.722 35.89,34.722 35.865,34.696 37.262,34.696 38.71,36.144 38.71,40.538 43.409,45.237 47.269,45.237 48.057,44.45 48.057,40.183 36.754,28.88 35.712,28.88 ; 38.247,12.925 38.247,20.498 81.686,20.498 87.808,26.619 94.285,33.096 94.285,41.859 ; 45.202,70.764 45.202,107.272 ; 66.548,66.75 67.397,66.75 67.997,67.35 71.572,70.925 87.972,70.925 92.822,75.775 92.822,77.1 ; 69.122,107.518 75.59,107.518 ; 72.466,70.968 72.466,107.518 ; 95.656,51.587 96.063,51.994 97.485,51.994 101.422,51.994 ; 51.322,63.983 51.322,65.375 51.897,65.95 56.247,65.95 57.072,65.125 60.241,65.125 60.491,65.375 64.697,65.375 65.547,64.525 67.707,64.525 68.123,64.11 68.123,63.176 67.397,62.45 65.312,62.45 63.779,63.983 51.322,63.983

## Silkscreen, mask and mechanical layers (free items; w line width, h text height)
Top Overlay:
  lines w0.152: 58.534,53.2 59.207,53.873 59.474,53.873 ; 59.296,53.696 59.474,53.873 ; 59.296,54.051 59.474,53.873 ; 64.973,54.204 64.973,54.305 65.176,54.508 65.659,54.508 65.913,54.254 ; 65.608,54.229 65.888,54.229 65.913,54.254 ; 65.913,54.534 65.913,54.254
  lines w0.203: 75.667,97.663 75.387,97.942 75.387,97.968 75.717,98.298 ; 76.556,96.672 76.556,96.647 76.886,96.317 76.911,96.317 77.216,96.622 ; 77.902,58.166 77.902,57.912 ; 79.248,57.963 79.045,58.166 78.156,58.166 77.902,57.912 ; 77.902,57.912 78.181,57.912 77.902,57.912
  text "Side A" at 35.027,101.397 h0.76
  text "Side B" at 77.927,101.244 h0.76
  text "ETH" at 83.21,16.205 h1.02 r90
  text "CAN" at 66.04,16.129 h1.02 r90
  text "CKIn" at 54.483,15.723 h1.02 r90
  text "Power" at 39.116,15.342 h1.02 r90
  text "CKOut" at 43.713,15.342 h1.02 r90
Bottom Overlay:
  drawing of 3 lines, arcs and shapes, not listed
  text "Hrafn / Rev '.Revision' / NGB / '.Date'" at 44.425,43.078 h1.52
Top Solder:
  pour cut-out: 30.4,71.1 30.4,100.96 31.86,100.96 ccw(c31.86,104.135) 34.9,103.22 40.4,103.22 40.4,99.96 47.4,99.96 47.4,103.22 70.4,103.22 70.4,99.96 77.4,99.96 77.4,103.22 82.9,103.22 ccw(c85.94,104.135) 85.94,100.96 87.4,100.96 87.4,71.1
  pour cut-out: 18.4,37.56 19.025,37.56 cw(c19.025,34.385) 22.2,34.385 22.2,28.6 95.6,28.6 95.6,34.385 cw(c98.775,34.385) 98.775,37.56 99.4,37.56 99.4,69.103 92.4,69.103 92.4,64.103 85.4,64.103 85.4,69.103 62.4,69.103 62.4,64.103 55.4,64.103 55.4,69.103 32.4,69.103 32.4,64.103 25.4,64.103 25.4,69.103 18.4,69.103
  pour cut-out: 23.395,14.81 23.395,20.5 94.395,20.5 94.395,14.81
Bottom Solder:
  pour cut-out: 23.417,17.695 ccw(c26.575,18.025) 26.575,14.85 91.225,14.85 ccw(c91.225,18.025) 94.383,17.695 ccw(c91.225,17.365) 91.225,20.54 26.575,20.54 ccw(c26.575,17.365)
  pour cut-out: 33.6,70.926 cw(c33.6,74.101) 30.425,74.101 30.425,98.267 cw(c33.6,98.267) 32.742,101.324 ccw(c31.884,104.381) 34.313,102.336 cw(c36.742,100.291) 36.742,103.466 38.607,103.466 cw(c38.607,100.291) 41.036,102.336 ccw(c43.465,104.381) 43.465,101.206 44.384,101.206 ccw(c44.384,104.381) 46.813,102.336 cw(c49.242,100.291) 49.242,103.466 68.607,103.466 cw(c68.607,100.291) 71.036,102.336 ccw(c73.465,104.381) 73.465,101.206 74.384,101.206 ccw(c74.384,104.381) 76.813,102.336 cw(c79.242,100.291) 79.242,103.466 81.107,103.466 cw(c81.107,100.291) 83.536,102.336 ccw(c85.965,104.381) 85.107,101.324 cw(c84.25,98.267) 87.425,98.267 87.425,74.101 cw(c84.25,74.101) 84.25,70.926
  pour cut-out: 22.147,34.451 ccw(c18.972,34.451) 20.272,37.348 cw(c21.572,40.245) 18.397,40.245 18.397,65.571 cw(c21.572,65.571) 21.572,68.746 22.367,68.746 cw(c22.367,65.571) 25.47,66.246 ccw(c28.572,66.921) 28.572,63.746 29.222,63.746 ccw(c29.222,66.921) 32.324,66.246 cw(c35.427,65.571) 35.427,68.746 52.367,68.746 cw(c52.367,65.571) 55.47,66.246 ccw(c58.572,66.921) 58.572,63.746 59.222,63.746 ccw(c59.222,66.921) 62.324,66.246 cw(c65.427,65.571) 65.427,68.746 82.367,68.746 cw(c82.367,65.571) 85.47,66.246 ccw(c88.572,66.921) 88.572,63.746 89.222,63.746 ccw(c89.222,66.921) 92.324,66.246 cw(c95.427,65.571) 95.427,68.746 96.222,68.746 cw(c96.222,65.571) 99.397,65.571 99.397,40.245 cw(c96.222,40.245) 97.522,37.348 ccw(c98.822,34.451) 95.647,34.451 95.647,31.841 cw(c92.472,31.841) 92.472,28.666 25.322,28.666 cw(c25.322,31.841) 22.147,31.841
Top Bottom Assembly:
  lines w0.127: 80.189,86.606 83.262,86.606
board outline:
  the board outline again, w0.013
Visual:
  drawing of 179 lines, arcs and shapes, not listed

## Text inside footprints (layer, text, board x,y; h text height)
J1: Mechanical 1 "screw / keepout" at 87.3,31.925 h0.89 r90; Mechanical 1 "screw / keepout" at 30.775,31.9 h0.89 r90; Top Overlay "PiPin1" at 32.597,32.903 h1.02 r90; Top Overlay "ConnPin1" at 85.597,31.303 h1.02 r90
U11A: Top Overlay "x" at 40.996,94.996 h1.52 r90; Top Overlay "A" at 40.869,98.044 h0.76 r90; Top Overlay "B" at 42.52,96.139 h0.76 r90; Top Overlay "C" at 40.996,93.98 h0.76 r90
U11B: Top Overlay "x" at 76.403,98.45 h1.52 r270; Top Overlay "A" at 76.556,95.783 h0.76 r270; Top Overlay "B" at 74.879,97.307 h0.76 r270; Top Overlay "C" at 76.403,99.466 h0.76 r270